# KiCad board backplane.20-slot.kicad_pcb (continued)
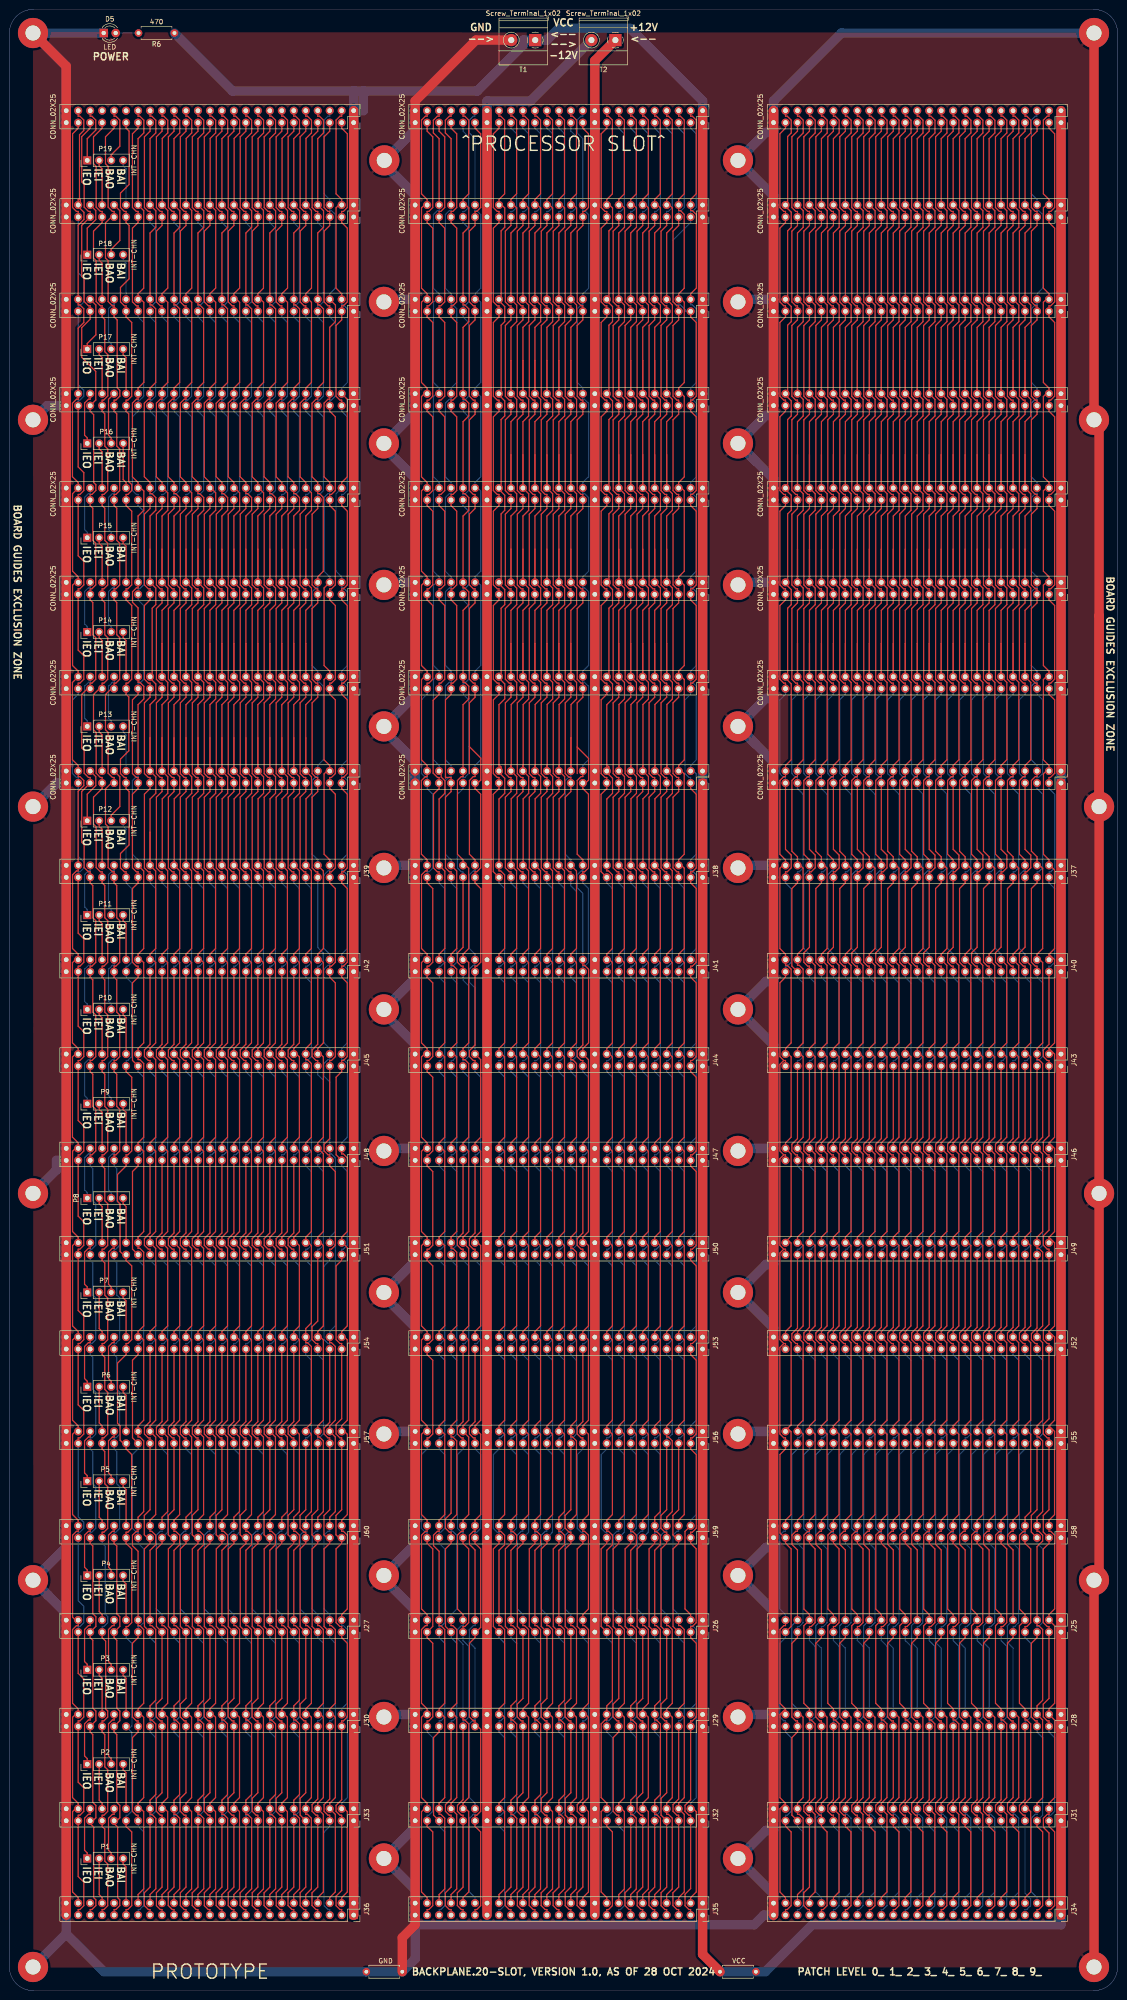
[diagram p0: board, top side]
## Routing (per net, layer and track width the routed paths; a pad name or vN(x,y) marks a point on that pad's centre or on a via; arc(x,y) is an arc through that point) (continued)
  Bottom w0.25: J46.5 217.92,174.82 219.11,173.63 219.11,158 218.29,157.18 217.92,157.18 J49.5 ; J6.5 217.92,274.82 219.11,273.63 219.11,258 218.29,257.18 217.92,257.18 J3.5 217.92,254.82 219.11,253.63 219.11,238 218.29,237.18 217.92,237.18 J37.5 ; J31.5 219.11,37.19 219.11,53.63 217.92,54.82 J28.5 ; J55.5 217.92,117.18 218.29,117.18 219.11,118 219.11,133.63 217.92,134.82 J52.5 ; J58.5 217.92,94.82 219.11,93.63 219.11,78 218.29,77.18 217.92,77.18 J25.5 ; J40.5 217.92,214.82 219.11,213.63 219.11,198 218.29,197.18 217.92,197.18 J43.5
/D15: length 402.7
  Top w0.25: 221.66,258.07 221.66,258 ; 221.66,258.07 220.76,257.18 220.46,257.18 J3.3 ; 221.66,258.07 221.66,273.63 220.46,274.82 J6.3 220.46,277.18 220.82,277.18 221.66,278 221.66,293.63 220.46,294.82 J9.3 220.46,297.18 220.82,297.18 221.66,298 221.66,313.63 220.46,314.82 J12.3 220.46,317.18 220.82,317.18 221.66,318 221.66,333.63 220.46,334.82 J15.3 220.46,337.18 220.82,337.18 221.66,338 221.66,353.63 220.46,354.82 J18.3 220.46,357.18 220.82,357.18 221.66,358 221.66,373.63 220.46,374.82 J21.3 220.46,377.18 220.82,377.18 221.66,378 221.66,393.63 220.46,394.82 J24.3 ; J40.3 220.46,200.61 219.27,199.42 219.27,198 220.09,197.18 220.46,197.18 J43.3 220.46,181.21 219.27,180.02 219.27,178 220.09,177.18 220.46,177.18 J46.3 220.46,161.21 219.27,160.02 219.27,158 220.09,157.18 220.46,157.18 J49.3 220.46,141.21 219.27,140.02 219.27,138 220.09,137.18 220.46,137.18 J52.3 220.46,121.21 219.27,120.02 219.27,118 220.09,117.18 220.46,117.18 J55.3 220.46,101.94 219.25,100.72 219.25,97.21 J58.3 220.46,94.82 219.27,93.63 219.27,78 220.09,77.18 220.46,77.18 J25.3 220.46,61.94 219.24,60.72 219.24,58.03 220.09,57.18 220.46,57.18 J28.3 ; J34.3 220.46,17.18 220.83,17.18 221.65,18 221.65,33.63 220.46,34.82 J31.3
  Bottom w0.25: J3.3 220.46,254.82 221.67,253.61 221.67,238.02 220.83,237.18 220.46,237.18 J37.3 220.46,234.82 221.65,233.63 221.65,218 220.83,217.18 220.46,217.18 J40.3 ; J28.3 220.46,54.82 221.65,53.63 221.65,38 220.83,37.18 220.46,37.18 J31.3
/D16: length 431.4
  Top w0.25: 182.36,305.57 J9.34 ; 182.36,305.57 J9.34 ; 182.36,305.57 182.36,312.6 183.58,313.82 183.58,317.32 J12.34 ; J9.34 183.58,297.32 183.58,293.82 182.36,292.6 182.36,285.57 ; 182.36,239.13 183.55,237.93 183.55,220.91 182.36,219.72 J40.34 183.55,217.35 183.55,200.91 182.36,199.72 182.36,199.13 ; 182.36,239.13 182.36,240.35 181.17,241.54 181.17,256.54 181.99,257.36 182.36,257.36 J3.34 182.36,259.72 183.58,260.93 183.58,277.32 J6.34 ; 182.36,239.13 J37.34 ; J15.34 182.36,345.57 ; J15.34 182.36,345.57 ; J15.34 183.58,337.32 183.58,333.82 182.36,332.6 182.36,325.57 ; 182.36,345.57 182.36,352.6 183.58,353.82 183.58,357.32 J18.34 182.36,372.6 183.58,373.82 183.58,377.32 J21.34 182.36,392.6 183.58,393.82 183.58,396.51 182.73,397.36 182.36,397.36 J24.34 ; 182.36,119.13 183.55,117.93 183.55,100.91 182.36,99.72 J58.34 182.36,97.36 181.99,97.36 181.18,96.56 181.18,94.58 182.36,93.4 J25.34 ; 182.36,119.13 J55.34 ; 182.36,119.13 182.36,119.72 183.55,120.91 183.55,137.35 J52.34 182.36,139.72 183.55,140.91 183.55,157.93 182.36,159.13 ; J6.34 182.36,285.57 ; J6.34 182.36,285.57 ; 182.36,159.13 182.36,159.72 183.55,160.91 183.55,177.35 J46.34 182.36,179.72 183.55,180.91 183.55,197.93 182.36,199.13 ; 182.36,159.13 J49.34 ; J12.34 182.36,325.57 ; J12.34 182.36,325.57 ; J31.34 182.36,39.72 183.55,40.91 183.55,57.93 182.36,59.13 J28.34 ; 182.36,199.13 J43.34
  Bottom w0.25: J34.34 182.36,19.72 183.55,20.91 183.55,36.54 182.73,37.36 182.36,37.36 J31.34 ; J28.34 182.36,72.6 181.14,73.82 181.14,77.32 J25.34
/D17: length 429.9
  Top w0.25: 184.9,345.57 J15.32 ; 184.9,345.57 J15.32 ; 184.9,345.57 184.9,352.6 186.12,353.82 186.12,357.32 J18.32 184.9,372.6 186.12,373.82 186.12,377.32 J21.32 184.9,392.6 186.12,393.82 186.12,396.51 185.27,397.36 184.9,397.36 J24.32 ; J15.32 186.12,337.32 186.12,333.82 184.9,332.6 184.9,325.57 ; 184.9,305.57 J9.32 ; 184.9,305.57 184.9,312.6 186.12,313.82 186.12,317.32 J12.32 ; 184.9,305.57 J9.32 ; J9.32 186.12,297.32 186.12,293.82 184.9,292.6 184.9,285.57 ; 184.9,199.13 186.09,197.93 186.09,180.91 184.9,179.72 J46.32 186.09,177.35 186.09,160.91 184.9,159.72 184.9,159.13 ; 184.9,199.13 J43.32 ; 184.9,199.13 184.9,199.72 186.09,200.91 186.09,217.35 J40.32 ; 184.9,285.57 J6.32 ; 184.9,285.57 J6.32 ; J12.32 184.9,325.57 ; J12.32 184.9,325.57 ; J6.32 186.12,277.32 186.12,260.93 184.9,259.72 J3.32 184.9,257.36 184.53,257.36 183.71,256.54 183.71,240.91 184.9,239.72 J37.32 ; J55.32 184.9,119.13 ; 184.9,119.13 186.09,117.93 186.09,100.91 184.9,99.72 J58.32 184.9,97.36 184.53,97.36 183.72,96.56 183.72,80.89 184.9,79.72 J25.32 183.71,77.35 183.71,60.91 184.9,59.72 J28.32 184.9,57.36 185.27,57.36 186.09,56.54 186.09,40.91 184.9,39.72 J31.32 186.09,37.35 186.09,20.91 184.9,19.72 J34.32 ; 184.9,119.13 184.9,119.72 186.09,120.91 186.09,137.35 J52.32 184.9,139.72 186.09,140.91 186.09,157.93 184.9,159.13 ; 184.9,159.13 J49.32
  Bottom w0.25: J40.32 184.9,219.72 183.71,220.91 183.71,236.54 184.53,237.36 184.9,237.36 J37.32
/D18: length 431.4
  Top w0.25: 187.44,159.13 187.44,159.72 188.63,160.91 188.63,177.35 J46.30 187.44,179.72 188.63,180.91 188.63,197.93 187.44,199.13 ; 187.44,159.13 188.63,157.93 188.63,140.91 187.44,139.72 J52.30 188.63,137.35 188.63,120.91 187.44,119.72 187.44,119.13 ; 187.44,159.13 J49.30 ; J28.30 187.44,59.13 188.63,57.93 188.63,40.91 187.44,39.72 J31.30 ; 187.44,285.57 J6.30 ; 187.44,285.57 J6.30 ; 187.44,285.57 187.44,292.6 188.66,293.82 188.66,297.32 J9.30 ; J6.30 188.66,277.32 188.66,260.93 187.44,259.72 J3.30 187.44,257.36 187.07,257.36 186.25,256.54 186.25,241.54 187.44,240.35 187.44,239.13 ; J15.30 188.66,337.32 188.66,333.82 187.44,332.6 187.44,325.57 ; J15.30 187.44,345.57 ; J15.30 187.44,345.57 ; 187.44,119.13 188.63,117.93 188.63,100.91 187.44,99.72 J58.30 187.44,97.36 187.07,97.36 186.26,96.56 186.26,94.58 187.44,93.4 J25.30 ; 187.44,119.13 J55.30 ; J12.30 187.44,325.57 ; J12.30 187.44,325.57 ; J12.30 188.66,317.32 188.66,313.82 187.44,312.6 187.44,305.57 ; 187.44,239.13 188.63,237.93 188.63,220.91 187.44,219.72 J40.30 188.63,217.35 188.63,200.91 187.44,199.72 187.44,199.13 ; 187.44,239.13 J37.30 ; J9.30 187.44,305.57 ; J9.30 187.44,305.57 ; 187.44,199.13 J43.30 ; J24.30 187.44,397.36 187.81,397.36 188.66,396.51 188.66,393.82 187.44,392.6 J21.30 188.66,377.32 188.66,373.82 187.44,372.6 J18.30 188.66,357.32 188.66,353.82 187.44,352.6 187.44,345.57
  Bottom w0.25: J34.30 187.44,19.72 188.63,20.91 188.63,36.54 187.81,37.36 187.44,37.36 J31.30 ; J28.30 187.44,72.6 186.22,73.82 186.22,77.32 J25.30
/D19: length 429.9
  Top w0.25: J24.28 189.98,397.36 190.35,397.36 191.2,396.51 191.2,393.82 189.98,392.6 J21.28 191.2,377.32 191.2,373.82 189.98,372.6 J18.28 191.2,357.32 191.2,353.82 189.98,352.6 189.98,345.57 ; J43.28 189.98,199.13 ; 189.98,199.13 189.98,199.72 191.17,200.91 191.17,217.35 J40.28 ; 189.98,199.13 191.17,197.93 191.17,180.91 189.98,179.72 J46.28 191.17,177.35 191.17,160.91 189.98,159.72 189.98,159.13 ; 189.98,325.57 189.98,332.6 191.2,333.82 191.2,337.32 J15.28 ; 189.98,325.57 J12.28 ; 189.98,325.57 J12.28 ; 189.98,119.13 189.98,119.72 191.17,120.91 191.17,137.35 J52.28 189.98,139.72 191.17,140.91 191.17,157.93 189.98,159.13 ; 189.98,119.13 191.17,117.93 191.17,100.91 189.98,99.72 J58.28 189.98,97.36 189.61,97.36 188.8,96.56 188.8,80.89 189.98,79.72 J25.28 188.79,77.35 188.79,60.91 189.98,59.72 J28.28 189.98,57.36 190.35,57.36 191.17,56.54 191.17,40.91 189.98,39.72 J31.28 191.17,37.35 191.17,20.91 189.98,19.72 J34.28 ; 189.98,119.13 J55.28 ; J9.28 189.98,305.57 ; J9.28 191.2,297.32 191.2,293.82 189.98,292.6 189.98,285.57 ; J9.28 189.98,305.57 ; 189.98,305.57 189.98,312.6 191.2,313.82 191.2,317.32 J12.28 ; 189.98,159.13 J49.28 ; J37.28 189.98,239.72 188.79,240.91 188.79,256.54 189.61,257.36 189.98,257.36 J3.28 189.98,259.72 191.2,260.93 191.2,277.32 J6.28 ; J15.28 189.98,345.57 ; J15.28 189.98,345.57 ; 189.98,285.57 J6.28 ; 189.98,285.57 J6.28
  Bottom w0.25: J40.28 189.98,219.72 188.79,220.91 188.79,236.54 189.61,237.36 189.98,237.36 J37.28
/D20: length 431.4
  Top w0.25: J55.26 192.52,119.13 ; 192.52,119.13 193.71,117.93 193.71,100.91 192.52,99.72 J58.26 192.52,97.36 192.15,97.36 191.34,96.56 191.34,94.58 192.52,93.4 J25.26 ; 192.52,119.13 192.52,119.72 193.71,120.91 193.71,137.35 J52.26 192.52,139.72 193.71,140.91 193.71,157.93 192.52,159.13 ; J6.26 192.52,285.57 ; J6.26 193.74,277.32 193.74,260.93 192.52,259.72 J3.26 192.52,257.36 192.15,257.36 191.33,256.54 191.33,241.54 192.52,240.35 192.52,239.13 ; J6.26 192.52,285.57 ; 192.52,285.57 192.52,292.6 193.74,293.82 193.74,297.32 J9.26 ; J12.26 193.74,317.32 193.74,313.82 192.52,312.6 192.52,305.57 ; J12.26 192.52,325.57 ; J12.26 192.52,325.57 ; 192.52,199.13 192.52,199.72 193.71,200.91 193.71,217.35 J40.26 192.52,219.72 193.71,220.91 193.71,237.93 192.52,239.13 ; 192.52,199.13 193.71,197.93 193.71,180.91 192.52,179.72 J46.26 193.71,177.35 193.71,160.91 192.52,159.72 192.52,159.13 ; 192.52,199.13 J43.26 ; J15.26 192.52,345.57 ; J15.26 192.52,345.57 ; J15.26 193.74,337.32 193.74,333.82 192.52,332.6 192.52,325.57 ; 192.52,345.57 192.52,352.6 193.74,353.82 193.74,357.32 J18.26 192.52,372.6 193.74,373.82 193.74,377.32 J21.26 192.52,392.6 193.74,393.82 193.74,396.51 192.89,397.36 192.52,397.36 J24.26 ; 192.52,305.57 J9.26 ; 192.52,305.57 J9.26 ; J37.26 192.52,239.13 ; 192.52,159.13 J49.26 ; J31.26 192.52,39.72 193.71,40.91 193.71,57.93 192.52,59.13 J28.26
  Bottom w0.25: J28.26 192.52,72.6 191.3,73.82 191.3,77.32 J25.26 ; J34.26 192.52,19.72 193.71,20.91 193.71,36.54 192.89,37.36 192.52,37.36 J31.26
/D21: length 429.9
  Top w0.25: 195.06,305.57 195.06,312.6 196.28,313.82 196.28,317.32 J12.24 ; 195.06,305.57 J9.24 ; 195.06,305.57 J9.24 ; J37.24 195.06,239.72 193.87,240.91 193.87,256.54 194.69,257.36 195.06,257.36 J3.24 195.06,259.72 196.28,260.93 196.28,277.32 J6.24 ; 195.06,119.13 195.06,119.72 196.25,120.91 196.25,137.35 J52.24 195.06,139.72 196.25,140.91 196.25,157.93 195.06,159.13 ; 195.06,119.13 J55.24 ; 195.06,119.13 196.25,117.93 196.25,100.91 195.06,99.72 J58.24 195.06,97.36 194.69,97.36 193.88,96.56 193.88,80.89 195.06,79.72 J25.24 193.87,77.35 193.87,60.91 195.06,59.72 J28.24 195.06,57.36 195.43,57.36 196.25,56.54 196.25,40.91 195.06,39.72 J31.24 196.25,37.35 196.25,20.91 195.06,19.72 J34.24 ; J9.24 196.28,297.32 196.28,293.82 195.06,292.6 195.06,285.57 ; 195.06,159.13 195.06,159.72 196.25,160.91 196.25,177.35 J46.24 195.06,179.72 196.25,180.91 196.25,197.93 195.06,199.13 ; 195.06,159.13 J49.24 ; J12.24 195.06,325.57 ; J12.24 195.06,325.57 ; J6.24 195.06,285.57 ; J6.24 195.06,285.57 ; 195.06,345.57 J15.24 ; 195.06,345.57 J15.24 ; 195.06,345.57 195.06,352.6 196.28,353.82 196.28,357.32 J18.24 195.06,372.6 196.28,373.82 196.28,377.32 J21.24 195.06,392.6 196.28,393.82 196.28,396.51 195.43,397.36 195.06,397.36 J24.24 ; J15.24 196.28,337.32 196.28,333.82 195.06,332.6 195.06,325.57 ; 195.06,199.13 J43.24 ; 195.06,199.13 195.06,199.72 196.25,200.91 196.25,217.35 J40.24
  Bottom w0.25: J40.24 195.06,219.72 193.87,220.91 193.87,236.54 194.69,237.36 195.06,237.36 J37.24
/D22: length 431.4
  Top w0.25: 197.6,119.13 197.6,119.72 198.79,120.91 198.79,137.35 J52.22 197.6,139.72 198.79,140.91 198.79,157.93 197.6,159.13 ; 197.6,119.13 J55.22 ; 197.6,119.13 198.79,117.93 198.79,100.91 197.6,99.72 J58.22 197.6,97.36 197.23,97.36 196.42,96.56 196.42,94.58 197.6,93.4 J25.22 ; 197.6,285.57 J6.22 ; 197.6,285.57 197.6,292.6 198.82,293.82 198.82,297.32 J9.22 ; 197.6,285.57 J6.22 ; J6.22 198.82,277.32 198.82,260.93 197.6,259.72 J3.22 197.6,257.36 197.23,257.36 196.41,256.54 196.41,241.54 197.6,240.35 197.6,239.13 ; 197.6,305.57 J9.22 ; 197.6,305.57 197.6,312.6 198.82,313.82 198.82,317.32 J12.22 ; 197.6,305.57 J9.22 ; 197.6,239.13 198.79,237.93 198.79,220.91 197.6,219.72 J40.22 198.79,217.35 198.79,200.91 197.6,199.72 197.6,199.13 ; 197.6,239.13 J37.22 ; J12.22 197.6,325.57 ; J12.22 197.6,325.57 ; 197.6,325.57 197.6,332.6 198.82,333.82 198.82,337.32 J15.22 ; J15.22 197.6,345.57 ; J15.22 197.6,345.57 ; 197.6,345.57 197.6,352.6 198.82,353.82 198.82,357.32 J18.22 197.6,372.6 198.82,373.82 198.82,377.32 J21.22 197.6,392.6 198.82,393.82 198.82,396.51 197.97,397.36 197.6,397.36 J24.22 ; 197.6,199.13 J43.22 ; 197.6,199.13 198.79,197.93 198.79,180.91 197.6,179.72 J46.22 198.79,177.35 198.79,160.91 197.6,159.72 197.6,159.13 ; 197.6,159.13 J49.22 ; J31.22 197.6,39.72 198.79,40.91 198.79,57.93 197.6,59.13 J28.22
  Bottom w0.25: J34.22 197.6,19.72 198.79,20.91 198.79,36.54 197.97,37.36 197.6,37.36 J31.22 ; J28.22 197.6,72.6 196.38,73.82 196.38,77.32 J25.22
/D23: length 429.9
  Top w0.25: 200.14,325.57 J12.20 ; 200.14,325.57 J12.20 ; 200.14,325.57 200.14,332.6 201.36,333.82 201.36,337.32 J15.20 ; J12.20 201.36,317.32 201.36,313.82 200.14,312.6 200.14,305.57 ; 200.14,345.57 J15.20 ; 200.14,345.57 J15.20 ; 200.14,345.57 200.14,352.6 201.36,353.82 201.36,357.32 J18.20 200.14,372.6 201.36,373.82 201.36,377.32 J21.20 200.14,392.6 201.36,393.82 201.36,396.51 200.51,397.36 200.14,397.36 J24.20 ; 200.14,199.13 201.33,197.93 201.33,180.91 200.14,179.72 J46.20 201.33,177.35 201.33,160.91 200.14,159.72 200.14,159.13 ; 200.14,199.13 J43.20 ; 200.14,199.13 200.14,199.72 201.33,200.91 201.33,217.35 J40.20 ; J9.20 200.14,305.57 ; J9.20 200.14,305.57 ; J9.20 201.36,297.32 201.36,293.82 200.14,292.6 200.14,285.57 ; J34.20 200.14,19.72 201.33,20.91 201.33,37.35 J31.20 200.14,39.72 201.33,40.91 201.33,56.54 200.51,57.36 200.14,57.36 J28.20 200.14,59.72 198.95,60.91 198.95,77.35 J25.20 200.14,79.72 198.96,80.89 198.96,96.56 199.77,97.36 200.14,97.36 J58.20 200.14,99.72 201.33,100.91 201.33,117.93 200.14,119.13 ; 200.14,119.13 200.14,119.72 201.33,120.91 201.33,137.35 J52.20 200.14,139.72 201.33,140.91 201.33,157.93 200.14,159.13 ; 200.14,119.13 J55.20 ; J49.20 200.14,159.13 ; 200.14,285.57 J6.20 ; 200.14,285.57 J6.20 ; J6.20 201.36,277.32 201.36,260.93 200.14,259.72 J3.20 200.14,257.36 199.77,257.36 198.95,256.54 198.95,240.91 200.14,239.72 J37.20
  Bottom w0.25: J40.20 200.14,219.72 198.95,220.91 198.95,236.54 199.77,237.36 200.14,237.36 J37.20
/D24: length 431.4
  Top w0.25: 202.68,305.57 J9.18 ; 202.68,305.57 J9.18 ; 202.68,305.57 202.68,312.6 203.9,313.82 203.9,317.32 J12.18 ; J9.18 203.9,297.32 203.9,293.82 202.68,292.6 202.68,285.57 ; 202.68,325.57 J12.18 ; 202.68,325.57 202.68,332.6 203.9,333.82 203.9,337.32 J15.18 ; 202.68,325.57 J12.18 ; 202.68,345.57 J15.18 ; 202.68,345.57 202.68,352.6 203.9,353.82 203.9,357.32 J18.18 202.68,372.6 203.9,373.82 203.9,377.32 J21.18 202.68,392.6 203.9,393.82 203.9,396.51 203.05,397.36 202.68,397.36 J24.18 ; 202.68,345.57 J15.18 ; 202.68,199.13 203.87,197.93 203.87,180.91 202.68,179.72 J46.18 203.87,177.35 203.87,160.91 202.68,159.72 202.68,159.13 ; 202.68,199.13 202.68,199.72 203.87,200.91 203.87,217.35 J40.18 202.68,219.72 203.87,220.91 203.87,237.93 202.68,239.13 ; 202.68,199.13 J43.18 ; 202.68,239.13 202.68,240.35 201.49,241.54 201.49,256.54 202.31,257.36 202.68,257.36 J3.18 202.68,259.72 203.9,260.93 203.9,277.32 J6.18 ; 202.68,239.13 J37.18 ; J31.18 202.68,39.72 203.87,40.91 203.87,57.93 202.68,59.13 J28.18 ; J49.18 202.68,159.13 ; 202.68,159.13 203.87,157.93 203.87,140.91 202.68,139.72 J52.18 203.87,137.35 203.87,120.91 202.68,119.72 202.68,119.13 ; J6.18 202.68,285.57 ; J6.18 202.68,285.57 ; J25.18 202.68,93.4 201.5,94.58 201.5,96.56 202.31,97.36 202.68,97.36 J58.18 202.68,99.72 203.87,100.91 203.87,117.93 202.68,119.13 ; J55.18 202.68,119.13
  Bottom w0.25: J31.18 202.68,37.36 203.05,37.36 203.87,36.54 203.87,20.91 202.68,19.72 J34.18 ; J28.18 202.68,72.6 201.46,73.82 201.46,77.32 J25.18
/D25: length 429.9
  Top w0.25: 205.22,238.54 205.22,239.72 204.03,240.91 204.03,256.54 204.85,257.36 205.22,257.36 205.22,259.72 206.44,260.93 206.44,277.32 205.22,278.54 ; 205.22,199.13 205.22,199.72 206.41,200.91 206.41,217.35 205.22,218.54 ; 205.22,199.13 205.22,198.54 ; 205.22,199.13 206.41,197.93 206.41,180.91 205.22,179.72 205.22,178.54 206.41,177.35 206.41,160.91 205.22,159.72 205.22,159.13 ; 205.22,305.57 205.22,312.6 206.44,313.82 206.44,317.32 205.22,318.54 ; 205.22,305.57 205.22,298.54 ; 205.22,305.57 205.22,298.54 ; 205.22,119.13 205.22,119.72 206.41,120.91 206.41,137.35 205.22,138.54 205.22,139.72 206.41,140.91 206.41,157.93 205.22,159.13 ; 205.22,119.13 205.22,118.54 ; 205.22,119.13 206.41,117.93 206.41,100.91 205.22,99.72 205.22,97.36 204.85,97.36 204.04,96.56 204.04,80.89 205.22,79.72 205.22,78.54 204.03,77.35 204.03,60.91 205.22,59.72 205.22,57.36 205.59,57.36 206.41,56.54 206.41,40.91 205.22,39.72 205.22,38.54 206.41,37.35 206.41,20.91 205.22,19.72 205.22,18.54 ; 205.22,325.57 205.22,318.54 ; 205.22,325.57 205.22,318.54 ; 205.22,325.57 205.22,332.6 206.44,333.82 206.44,337.32 205.22,338.54 ; 205.22,338.54 205.22,345.57 ; 205.22,338.54 205.22,345.57 ; 205.22,345.57 205.22,352.6 206.44,353.82 206.44,357.32 205.22,358.54 205.22,372.6 206.44,373.82 206.44,377.32 205.22,378.54 205.22,392.6 206.44,393.82 206.44,396.51 205.59,397.36 205.22,397.36 205.22,398.54 ; 205.22,278.54 205.22,285.57 ; 205.22,278.54 205.22,285.57 ; 205.22,285.57 205.22,292.6 206.44,293.82 206.44,297.32 205.22,298.54 ; 205.22,159.13 205.22,158.54
  Bottom w0.25: 205.22,238.54 205.22,237.36 204.85,237.36 204.03,236.54 204.03,220.91 205.22,219.72 205.22,218.54
/D26: length 431.4
  Top w0.25: 207.76,159.13 207.76,159.72 208.95,160.91 208.95,177.35 J46.14 207.76,179.72 208.95,180.91 208.95,197.93 207.76,199.13 ; 207.76,159.13 208.95,157.93 208.95,140.91 207.76,139.72 J52.14 208.95,137.35 208.95,120.91 207.76,119.72 207.76,119.13 ; 207.76,159.13 J49.14 ; J6.14 208.98,277.32 208.98,260.93 207.76,259.72 J3.14 207.76,257.36 207.39,257.36 206.57,256.54 206.57,241.54 207.76,240.35 207.76,239.13 ; J6.14 207.76,285.57 ; J6.14 207.76,285.57 ; 207.76,305.57 207.76,312.6 208.98,313.82 208.98,317.32 J12.14 ; 207.76,305.57 J9.14 ; 207.76,305.57 J9.14 ; 207.76,199.13 207.76,199.72 208.95,200.91 208.95,217.35 J40.14 207.76,219.72 208.95,220.91 208.95,237.93 207.76,239.13 ; 207.76,199.13 J43.14 ; 207.76,345.57 J15.14 ; 207.76,345.57 207.76,352.6 208.98,353.82 208.98,357.32 J18.14 207.76,372.6 208.98,373.82 208.98,377.32 J21.14 207.76,392.6 208.98,393.82 208.98,396.51 208.13,397.36 207.76,397.36 J24.14 ; 207.76,345.57 J15.14 ; J15.14 208.98,337.32 208.98,333.82 207.76,332.6 207.76,325.57 ; J25.14 207.76,93.4 206.58,94.58 206.58,96.56 207.39,97.36 207.76,97.36 J58.14 207.76,99.72 208.95,100.91 208.95,117.93 207.76,119.13 ; J55.14 207.76,119.13 ; 207.76,325.57 J12.14 ; 207.76,325.57 J12.14 ; J28.14 207.76,59.13 208.95,57.93 208.95,40.91 207.76,39.72 J31.14 ; J9.14 208.98,297.32 208.98,293.82 207.76,292.6 207.76,285.57 ; 207.76,239.13 J37.14
  Bottom w0.25: J31.14 207.76,37.36 208.13,37.36 208.95,36.54 208.95,20.91 207.76,19.72 J34.14 ; J25.14 206.54,77.32 206.54,73.82 207.76,72.6 J28.14
/D27: length 429.9
  Top w0.25: 210.3,345.57 210.3,352.6 211.52,353.82 211.52,357.32 J18.12 210.3,372.6 211.52,373.82 211.52,377.32 J21.12 210.3,392.6 211.52,393.82 211.52,396.51 210.67,397.36 210.3,397.36 J24.12 ; 210.3,345.57 J15.12 ; 210.3,345.57 J15.12 ; 210.3,325.57 210.3,332.6 211.52,333.82 211.52,337.32 J15.12 ; 210.3,325.57 J12.12 ; 210.3,325.57 J12.12 ; J9.12 210.3,305.57 ; J9.12 211.52,297.32 211.52,293.82 210.3,292.6 210.3,285.57 ; J9.12 210.3,305.57 ; 210.3,305.57 210.3,312.6 211.52,313.82 211.52,317.32 J12.12 ; J37.12 210.3,239.72 209.11,240.91 209.11,256.54 209.93,257.36 210.3,257.36 J3.12 210.3,259.72 211.52,260.93 211.52,277.32 J6.12 ; 210.3,285.57 J6.12 ; 210.3,285.57 J6.12 ; 210.3,159.13 210.3,159.72 211.49,160.91 211.49,177.35 J46.12 210.3,179.72 211.49,180.91 211.49,197.93 210.3,199.13 ; 210.3,159.13 J49.12 ; 210.3,159.13 211.49,157.93 211.49,140.91 210.3,139.72 J52.12 211.49,137.35 211.49,120.91 210.3,119.72 210.3,119.13 ; 210.3,119.13 211.49,117.93 211.49,100.91 210.3,99.72 J58.12 210.3,97.36 209.93,97.36 209.12,96.56 209.12,80.89 210.3,79.72 J25.12 209.11,77.35 209.11,60.91 210.3,59.72 J28.12 210.3,57.36 210.67,57.36 211.49,56.54 211.49,40.91 210.3,39.72 J31.12 211.49,37.35 211.49,20.91 210.3,19.72 J34.12 ; 210.3,119.13 J55.12 ; 210.3,199.13 J43.12 ; 210.3,199.13 210.3,199.72 211.49,200.91 211.49,217.35 J40.12
  Bottom w0.25: J40.12 210.3,219.72 209.11,220.91 209.11,236.54 209.93,237.36 210.3,237.36 J37.12
/D28: length 431.4
  Top w0.25: J6.10 212.84,285.57 ; J6.10 214.06,277.32 214.06,260.93 212.84,259.72 J3.10 212.84,257.36 212.47,257.36 211.65,256.54 211.65,241.54 212.84,240.35 212.84,239.13 ; J6.10 212.84,285.57 ; 212.84,285.57 212.84,292.6 214.06,293.82 214.06,297.32 J9.10 ; 212.84,239.13 214.03,237.93 214.03,220.91 212.84,219.72 J40.10 214.03,217.35 214.03,200.91 212.84,199.72 212.84,199.13 ; 212.84,239.13 J37.10 ; 212.84,199.13 214.03,197.93 214.03,180.91 212.84,179.72 J46.10 214.03,177.35 214.03,160.91 212.84,159.72 212.84,159.13 ; 212.84,199.13 J43.10 ; J15.10 212.84,345.57 ; J15.10 214.06,337.32 214.06,333.82 212.84,332.6 212.84,325.57 ; J15.10 212.84,345.57 ; 212.84,345.57 212.84,352.6 214.06,353.82 214.06,357.32 J18.10 212.84,372.6 214.06,373.82 214.06,377.32 J21.10 212.84,392.6 214.06,393.82 214.06,396.51 213.21,397.36 212.84,397.36 J24.10 ; J28.10 212.84,59.13 214.03,57.93 214.03,40.91 212.84,39.72 J31.10 ; J55.10 212.84,119.13 ; 212.84,119.13 214.03,117.93 214.03,100.91 212.84,99.72 J58.10 212.84,97.36 212.47,97.36 211.66,96.56 211.66,94.58 212.84,93.4 J25.10 ; 212.84,119.13 212.84,119.72 214.03,120.91 214.03,137.35 J52.10 212.84,139.72 214.03,140.91 214.03,157.93 212.84,159.13 ; J9.10 212.84,305.57 ; J9.10 212.84,305.57 ; 212.84,325.57 J12.10 ; 212.84,325.57 J12.10 ; J12.10 214.06,317.32 214.06,313.82 212.84,312.6 212.84,305.57 ; 212.84,159.13 J49.10
  Bottom w0.25: J28.10 212.84,72.6 211.62,73.82 211.62,77.32 J25.10 ; J31.10 212.84,37.36 213.21,37.36 214.03,36.54 214.03,20.91 212.84,19.72 J34.10
/D29: length 430.5
  Top w0.25: J40.8 216.57,217.35 216.57,200.91 215.38,199.72 215.38,199.13 ; 215.38,285.57 J6.8 ; 215.38,285.57 215.38,292.6 216.6,293.82 216.6,297.32 J9.8 ; 215.38,285.57 J6.8 ; J6.8 216.6,277.32 216.6,260.93 215.38,259.72 J3.8 215.38,257.36 215.01,257.36 214.19,256.54 214.19,240.91 215.38,239.72 J37.8 ; J34.8 215.38,19.72 216.57,20.91 216.57,37.94 215.38,39.13 ; 215.38,39.13 215.38,39.72 216.57,40.91 216.57,56.54 215.75,57.36 215.38,57.36 J28.8 215.38,59.72 214.19,60.91 214.19,77.35 J25.8 215.38,79.72 214.2,80.89 214.2,96.56 215.01,97.36 215.38,97.36 J58.8 215.38,100.35 216.57,101.55 216.57,117.93 215.38,119.13 ; 215.38,39.13 J31.8 ; J15.8 215.38,345.57 ; J15.8 216.6,337.32 216.6,333.82 215.38,332.6 215.38,325.57 ; J15.8 215.38,345.57 ; 215.38,345.57 215.38,352.6 216.6,353.82 216.6,357.32 J18.8 215.38,372.6 216.6,373.82 216.6,377.32 J21.8 215.38,392.6 216.6,393.82 216.6,396.51 215.75,397.36 215.38,397.36 J24.8 ; 215.38,199.13 J43.8 ; 215.38,199.13 216.57,197.93 216.57,180.91 215.38,179.72 J46.8 216.57,177.35 216.57,160.91 215.38,159.72 215.38,159.13 ; 215.38,305.57 215.38,312.6 216.6,313.82 216.6,317.32 J12.8 ; 215.38,305.57 J9.8 ; 215.38,305.57 J9.8 ; 215.38,325.57 J12.8 ; 215.38,325.57 J12.8 ; J55.8 215.38,119.13 ; 215.38,119.13 215.38,119.72 216.57,120.91 216.57,137.35 J52.8 215.38,139.72 216.57,140.91 216.57,157.93 215.38,159.13 ; 215.38,159.13 J49.8
  Bottom w0.25: J40.8 215.38,219.72 214.19,220.91 214.19,236.54 215.01,237.36 215.38,237.36 J37.8
/D30: length 402.9
  Top w0.25: J40.6 217.92,219.13 ; 217.92,219.13 219.11,217.93 219.11,200.91 217.92,199.72 J43.6 217.92,197.36 218.29,197.36 219.11,196.54 219.11,180.91 217.92,179.72 J46.6 219.11,177.35 219.11,160.91 217.92,159.72 J49.6 217.92,157.36 218.29,157.36 219.11,156.54 219.11,140.91 217.92,139.72 J52.6 219.11,137.35 219.11,120.91 217.92,119.72 J55.6 217.92,117.36 218.29,117.36 219.11,116.54 219.11,101.55 217.92,100.35 J58.6 217.92,97.36 218.29,97.36 219.11,96.54 219.11,95.29 217.92,94.1 J25.6 217.92,77.36 218.29,77.36 219.11,76.54 219.11,61.54 217.92,60.35 J28.6 219.1,57.36 219.1,40.9 217.92,39.72 J31.6 ; 217.92,219.13 217.92,219.72 219.11,220.91 219.11,237.93 217.92,239.13 ; 217.92,239.13 217.92,240.35 216.73,241.54 216.73,256.54 217.55,257.36 217.92,257.36 J3.6 ; 217.92,239.13 J37.6
  Bottom w0.25: J31.6 217.92,37.36 217.55,37.36 216.73,36.54 216.73,20.91 217.92,19.72 J34.6 ; J3.6 217.92,259.72 216.73,260.91 216.73,276.54 217.55,277.36 217.92,277.36 J6.6 217.92,279.72 216.73,280.91 216.73,296.54 217.55,297.36 217.92,297.36 J9.6 217.92,299.72 216.73,300.91 216.73,316.54 217.55,317.36 217.92,317.36 J12.6 217.92,319.72 216.73,320.91 216.73,336.54 217.55,337.36 217.92,337.36 J15.6 217.92,339.72 216.73,340.91 216.73,356.54 217.55,357.36 217.92,357.36 J18.6 217.92,359.72 219.11,360.91 219.11,376.54 218.29,377.36 217.92,377.36 J21.6 217.92,379.72 216.73,380.91 216.73,396.54 217.55,397.36 217.92,397.36 J24.6
